# KiCad board Bus_Card.kicad_pcb (continued)
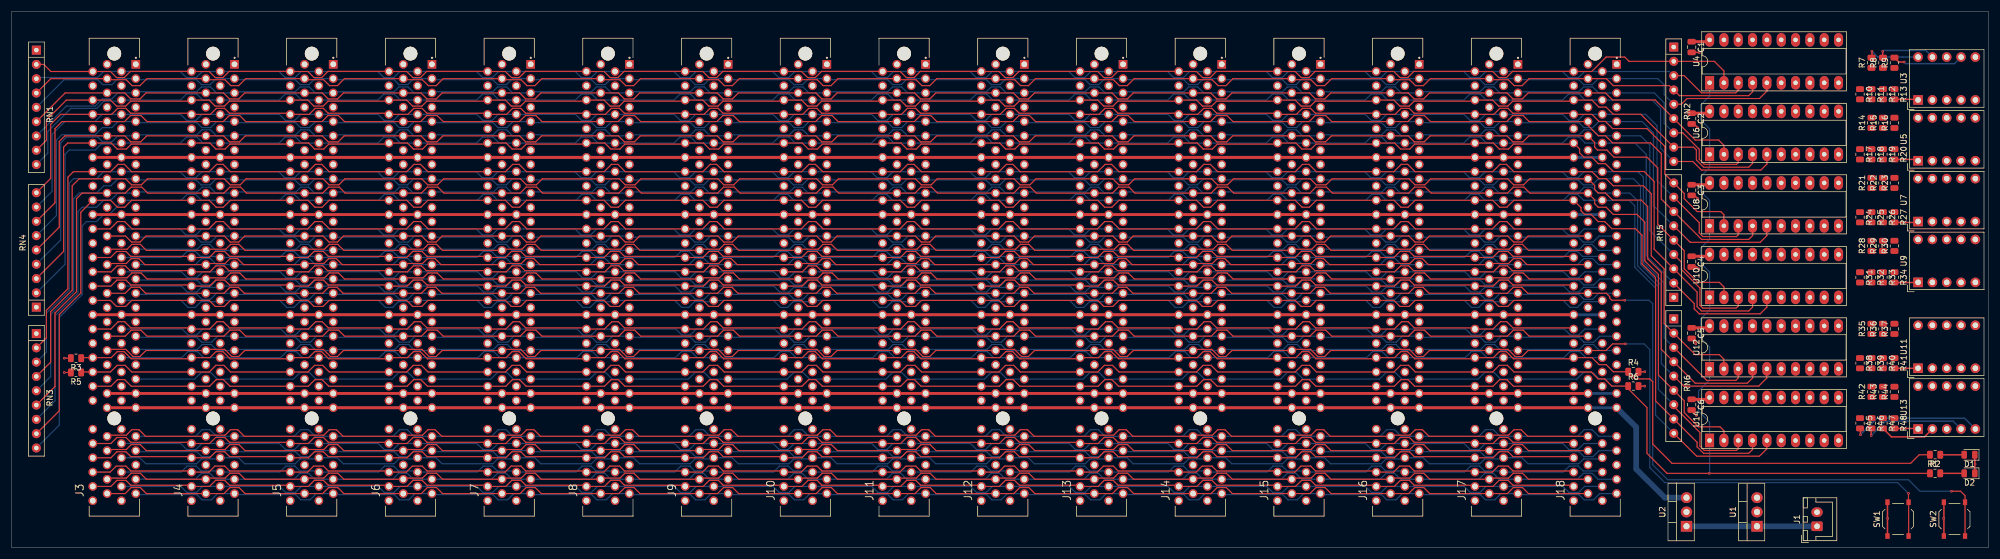
[diagram p0: board, top side]
## Routing (per net, layer and track width the routed paths; a pad name or vN(x,y) marks a point on that pad's centre or on a via; arc(x,y) is an arc through that point) (continued)
/ROM_3: length 275.7
  Top w0.2: J3.B56 17.65,15.97 18.72,17.03 20.33,17.03 21.19,16.17 31.74,16.17 J4.B56 35.15,15.97 36.22,17.03 37.83,17.03 38.69,16.17 49.24,16.17 J5.B56 52.65,15.97 53.72,17.03 55.33,17.03 56.19,16.17 66.74,16.17 J6.B56 70.15,15.97 71.22,17.03 72.83,17.03 73.69,16.17 84.24,16.17 J7.B56 87.65,15.97 88.72,17.03 90.33,17.03 91.19,16.17 101.74,16.17 J8.B56 105.15,15.97 106.22,17.03 107.83,17.03 108.69,16.17 119.24,16.17 J9.B56 122.65,15.97 123.72,17.03 125.33,17.03 126.19,16.17 136.74,16.17 J10.B56 140.15,15.97 141.22,17.03 142.83,17.03 143.69,16.17 154.24,16.17 J11.B56 157.65,15.97 158.72,17.03 160.33,17.03 161.19,16.17 171.74,16.17 J12.B56 175.15,15.97 176.22,17.03 177.83,17.03 178.69,16.17 189.24,16.17 J13.B56 192.65,15.97 193.72,17.03 195.33,17.03 196.19,16.17 206.74,16.17 J14.B56 210.15,15.97 211.22,17.03 212.83,17.03 213.69,16.17 224.24,16.17 J15.B56 227.65,15.97 228.72,17.03 230.33,17.03 231.19,16.17 241.74,16.17 J16.B56 245.15,15.97 246.22,17.03 247.83,17.03 248.69,16.17 259.24,16.17 J17.B56 262.65,15.97 263.72,17.03 265.33,17.03 266.19,16.17 276.74,16.17 J18.B56
/ROM_4: length 275.7
  Top w0.2: J18.B58 276.74,13.63 266.19,13.63 265.33,14.49 263.59,14.49 262.52,13.43 J17.B58 259.24,13.63 248.69,13.63 247.83,14.49 246.09,14.49 245.02,13.43 J16.B58 241.74,13.63 231.19,13.63 230.33,14.49 228.59,14.49 227.52,13.43 J15.B58 224.24,13.63 213.69,13.63 212.83,14.49 211.09,14.49 210.02,13.43 J14.B58 206.74,13.63 196.19,13.63 195.33,14.49 193.59,14.49 192.52,13.43 J13.B58 189.24,13.63 178.69,13.63 177.83,14.49 176.09,14.49 175.02,13.43 J12.B58 171.74,13.63 161.19,13.63 160.33,14.49 158.59,14.49 157.52,13.43 J11.B58 154.24,13.63 143.69,13.63 142.83,14.49 141.09,14.49 140.02,13.43 J10.B58 136.74,13.63 126.19,13.63 125.33,14.49 123.59,14.49 122.52,13.43 J9.B58 119.24,13.63 108.69,13.63 107.83,14.49 106.09,14.49 105.02,13.43 J8.B58 101.74,13.63 91.19,13.63 90.33,14.49 88.59,14.49 87.52,13.43 J7.B58 84.24,13.63 73.69,13.63 72.83,14.49 71.09,14.49 70.02,13.43 J6.B58 66.74,13.63 56.19,13.63 55.33,14.49 53.59,14.49 52.52,13.43 J5.B58 49.24,13.63 38.69,13.63 37.83,14.49 36.09,14.49 35.02,13.43 J4.B58 31.74,13.63 21.19,13.63 20.33,14.49 18.59,14.49 17.52,13.43 J3.B58
/ROM_5: length 275.7
  Top w0.2: J3.B59 17.19,12.36 20.4,12.36 21.26,13.22 22.87,13.22 23.94,12.16 J4.B59 34.69,12.36 37.9,12.36 38.76,13.22 40.37,13.22 41.44,12.16 J5.B59 52.19,12.36 55.4,12.36 56.26,13.22 57.87,13.22 58.94,12.16 J6.B59 69.69,12.36 72.9,12.36 73.76,13.22 75.37,13.22 76.44,12.16 J7.B59 87.19,12.36 90.4,12.36 91.26,13.22 92.87,13.22 93.94,12.16 J8.B59 104.69,12.36 107.9,12.36 108.76,13.22 110.37,13.22 111.44,12.16 J9.B59 122.19,12.36 125.4,12.36 126.26,13.22 127.87,13.22 128.94,12.16 J10.B59 139.69,12.36 142.9,12.36 143.76,13.22 145.37,13.22 146.44,12.16 J11.B59 157.19,12.36 160.4,12.36 161.26,13.22 162.87,13.22 163.94,12.16 J12.B59 174.69,12.36 177.9,12.36 178.76,13.22 180.37,13.22 181.44,12.16 J13.B59 192.19,12.36 195.4,12.36 196.26,13.22 197.87,13.22 198.94,12.16 J14.B59 209.69,12.36 212.9,12.36 213.76,13.22 215.37,13.22 216.44,12.16 J15.B59 227.19,12.36 230.4,12.36 231.26,13.22 232.87,13.22 233.94,12.16 J16.B59 244.69,12.36 247.9,12.36 248.76,13.22 250.37,13.22 251.44,12.16 J17.B59 262.19,12.36 265.4,12.36 266.26,13.22 267.87,13.22 268.94,12.16 J18.B59
/ROM_6: length 275.9
  Top w0.2: J3.B60 17.65,10.89 18.73,11.96 20.32,11.96 21.19,11.09 31.74,11.09 J4.B60 35.15,10.89 36.23,11.96 37.82,11.96 38.69,11.09 49.24,11.09 J5.B60 52.65,10.89 53.73,11.96 55.32,11.96 56.19,11.09 66.74,11.09 J6.B60 70.15,10.89 71.23,11.96 72.82,11.96 73.69,11.09 84.24,11.09 J7.B60 87.65,10.89 88.73,11.96 90.32,11.96 91.19,11.09 101.74,11.09 J8.B60 105.15,10.89 106.23,11.96 107.82,11.96 108.69,11.09 119.24,11.09 J9.B60 122.65,10.89 123.73,11.96 125.32,11.96 126.19,11.09 136.74,11.09 J10.B60 140.15,10.89 141.23,11.96 142.82,11.96 143.69,11.09 154.24,11.09 J11.B60 157.65,10.89 158.73,11.96 160.32,11.96 161.19,11.09 171.74,11.09 J12.B60 175.15,10.89 176.23,11.96 177.82,11.96 178.69,11.09 189.24,11.09 J13.B60 192.65,10.89 193.73,11.96 195.32,11.96 196.19,11.09 206.74,11.09 J14.B60 210.15,10.89 211.23,11.96 212.82,11.96 213.69,11.09 224.24,11.09 J15.B60 227.65,10.89 228.73,11.96 230.32,11.96 231.19,11.09 241.74,11.09 J16.B60 245.15,10.89 246.23,11.96 247.82,11.96 248.69,11.09 259.24,11.09 J17.B60 262.65,10.89 263.73,11.96 265.32,11.96 266.19,11.09 276.74,11.09 J18.B60
/ROM_7: length 275.7
  Top w0.2: J18.B61 268.94,9.62 267.87,10.68 266.26,10.68 265.19,9.62 J17.B61 251.44,9.62 250.37,10.68 248.76,10.68 247.69,9.62 J16.B61 233.94,9.62 232.87,10.68 231.26,10.68 230.19,9.62 J15.B61 216.44,9.62 215.37,10.68 213.76,10.68 212.69,9.62 J14.B61 198.94,9.62 197.87,10.68 196.26,10.68 195.19,9.62 J13.B61 181.44,9.62 180.37,10.68 178.76,10.68 177.69,9.62 J12.B61 163.94,9.62 162.87,10.68 161.26,10.68 160.19,9.62 J11.B61 146.44,9.62 145.37,10.68 143.76,10.68 142.69,9.62 J10.B61 128.94,9.62 127.87,10.68 126.26,10.68 125.19,9.62 J9.B61 111.44,9.62 110.37,10.68 108.76,10.68 107.69,9.62 J8.B61 93.94,9.62 92.87,10.68 91.26,10.68 90.19,9.62 J7.B61 76.44,9.62 75.37,10.68 73.76,10.68 72.69,9.62 J6.B61 58.94,9.62 57.87,10.68 56.26,10.68 55.19,9.62 J5.B61 41.44,9.62 40.37,10.68 38.76,10.68 37.69,9.62 J4.B61 23.94,9.62 22.87,10.68 21.26,10.68 20.19,9.62 J3.B61
/SYNC/VPA: length 275.7
  Bottom w0.2: J3.A38 30.29,38.83 31.35,37.76 32.84,37.76 33.91,38.83 J4.A38 47.79,38.83 48.85,37.76 50.34,37.76 51.41,38.83 J5.A38 65.29,38.83 66.35,37.76 67.84,37.76 68.91,38.83 J6.A38 82.79,38.83 83.85,37.76 85.34,37.76 86.41,38.83 J7.A38 100.29,38.83 101.35,37.76 102.84,37.76 103.91,38.83 J8.A38 117.79,38.83 118.85,37.76 120.34,37.76 121.41,38.83 J9.A38 135.29,38.83 136.35,37.76 137.84,37.76 138.91,38.83 J10.A38 152.79,38.83 153.85,37.76 155.34,37.76 156.41,38.83 J11.A38 170.29,38.83 171.35,37.76 172.84,37.76 173.91,38.83 J12.A38 187.79,38.83 188.85,37.76 190.34,37.76 191.41,38.83 J13.A38 205.29,38.83 206.35,37.76 207.84,37.76 208.91,38.83 J14.A38 222.79,38.83 223.85,37.76 225.34,37.76 226.41,38.83 J15.A38 240.29,38.83 241.35,37.76 242.84,37.76 243.91,38.83 J16.A38 257.79,38.83 258.85,37.76 260.34,37.76 261.41,38.83 J17.A38 275.29,38.83 276.35,37.76 277.84,37.76 278.91,38.83 J18.A38
/~{BE}: length 275.7
  Bottom w0.2: J18.A42 279.1,33.75 278.03,34.81 276.29,34.81 275.22,33.75 J17.A42 261.6,33.75 260.53,34.81 258.79,34.81 257.72,33.75 J16.A42 244.1,33.75 243.03,34.81 241.29,34.81 240.22,33.75 J15.A42 226.6,33.75 225.53,34.81 223.79,34.81 222.72,33.75 J14.A42 209.1,33.75 208.03,34.81 206.29,34.81 205.22,33.75 J13.A42 191.6,33.75 190.53,34.81 188.79,34.81 187.72,33.75 J12.A42 174.1,33.75 173.03,34.81 171.29,34.81 170.22,33.75 J11.A42 156.6,33.75 155.53,34.81 153.79,34.81 152.72,33.75 J10.A42 139.1,33.75 138.03,34.81 136.29,34.81 135.22,33.75 J9.A42 121.6,33.75 120.53,34.81 118.79,34.81 117.72,33.75 J8.A42 104.1,33.75 103.03,34.81 101.29,34.81 100.22,33.75 J7.A42 86.6,33.75 85.53,34.81 83.79,34.81 82.72,33.75 J6.A42 69.1,33.75 68.03,34.81 66.29,34.81 65.22,33.75 J5.A42 51.6,33.75 50.53,34.81 48.79,34.81 47.72,33.75 J4.A42 34.1,33.75 33.03,34.81 31.29,34.81 30.22,33.75 J3.A42
/~{H_RAM}: length 275.7
  Top w0.2: J18.B25 268.87,55.34 267.81,54.27 266.32,54.27 265.25,55.34 J17.B25 251.37,55.34 250.31,54.27 248.82,54.27 247.75,55.34 J16.B25 233.87,55.34 232.81,54.27 231.32,54.27 230.25,55.34 J15.B25 216.37,55.34 215.31,54.27 213.82,54.27 212.75,55.34 J14.B25 198.87,55.34 197.81,54.27 196.32,54.27 195.25,55.34 J13.B25 181.37,55.34 180.31,54.27 178.82,54.27 177.75,55.34 J12.B25 163.87,55.34 162.81,54.27 161.32,54.27 160.25,55.34 J11.B25 146.37,55.34 145.31,54.27 143.82,54.27 142.75,55.34 J10.B25 128.87,55.34 127.81,54.27 126.32,54.27 125.25,55.34 J9.B25 111.37,55.34 110.31,54.27 108.82,54.27 107.75,55.34 J8.B25 93.87,55.34 92.81,54.27 91.32,54.27 90.25,55.34 J7.B25 76.37,55.34 75.31,54.27 73.82,54.27 72.76,55.34 J6.B25 58.87,55.34 57.81,54.27 56.32,54.27 55.26,55.34 J5.B25 41.37,55.34 40.31,54.27 38.82,54.27 37.76,55.34 J4.B25 23.87,55.34 22.81,54.27 21.32,54.27 20.26,55.34 J3.B25
/~{IO}: length 275.7
  Bottom w0.2: J3.A24 29.91,56.61 30.97,55.54 32.72,55.54 33.78,56.61 J4.A24 47.41,56.61 48.47,55.54 50.22,55.54 51.28,56.61 J5.A24 64.91,56.61 65.97,55.54 67.72,55.54 68.78,56.61 J6.A24 82.41,56.61 83.47,55.54 85.22,55.54 86.28,56.61 J7.A24 99.91,56.61 100.97,55.54 102.72,55.54 103.78,56.61 J8.A24 117.41,56.61 118.47,55.54 120.22,55.54 121.28,56.61 J9.A24 134.91,56.61 135.97,55.54 137.72,55.54 138.78,56.61 J10.A24 152.41,56.61 153.47,55.54 155.22,55.54 156.28,56.61 J11.A24 169.91,56.61 170.97,55.54 172.72,55.54 173.78,56.61 J12.A24 187.41,56.61 188.47,55.54 190.22,55.54 191.28,56.61 J13.A24 204.91,56.61 205.97,55.54 207.72,55.54 208.78,56.61 J14.A24 222.41,56.61 223.47,55.54 225.21,55.54 226.28,56.61 J15.A24 239.91,56.61 240.97,55.54 242.71,55.54 243.78,56.61 J16.A24 257.41,56.61 258.47,55.54 260.21,55.54 261.28,56.61 J17.A24 274.91,56.61 275.97,55.54 277.71,55.54 278.78,56.61 J18.A24
/~{IRQ_0.0}: length 275.7
  Bottom w0.2: J3.A27 22.27,53 32.97,53 33.83,53.86 35.19,53.86 36.26,52.8 J4.A27 39.77,53 50.47,53 51.33,53.86 52.69,53.86 53.76,52.8 J5.A27 57.27,53 67.97,53 68.83,53.86 70.19,53.86 71.26,52.8 J6.A27 74.77,53 85.47,53 86.33,53.86 87.69,53.86 88.76,52.8 J7.A27 92.27,53 102.97,53 103.83,53.86 105.19,53.86 106.26,52.8 J8.A27 109.77,53 120.47,53 121.33,53.86 122.69,53.86 123.76,52.8 J9.A27 127.27,53 137.97,53 138.83,53.86 140.19,53.86 141.26,52.8 J10.A27 144.77,53 155.47,53 156.33,53.86 157.69,53.86 158.76,52.8 J11.A27 162.27,53 172.97,53 173.83,53.86 175.19,53.86 176.26,52.8 J12.A27 179.77,53 190.47,53 191.33,53.86 192.69,53.86 193.76,52.8 J13.A27 197.27,53 207.97,53 208.83,53.86 210.19,53.86 211.26,52.8 J14.A27 214.77,53 225.47,53 226.33,53.86 227.69,53.86 228.76,52.8 J15.A27 232.27,53 242.97,53 243.83,53.86 245.19,53.86 246.26,52.8 J16.A27 249.77,53 260.47,53 261.33,53.86 262.69,53.86 263.76,52.8 J17.A27 267.27,53 277.97,53 278.83,53.86 280.19,53.86 281.26,52.8 J18.A27
/~{IRQ_0.1}: length 275.7
  Bottom w0.2: J3.A28 30.1,51.53 31.16,52.59 32.65,52.59 33.51,51.73 36.82,51.73 J4.A28 47.6,51.53 48.66,52.59 50.15,52.59 51.01,51.73 54.32,51.73 J5.A28 65.1,51.53 66.16,52.59 67.65,52.59 68.51,51.73 71.82,51.73 J6.A28 82.6,51.53 83.66,52.59 85.15,52.59 86.01,51.73 89.32,51.73 J7.A28 100.1,51.53 101.16,52.59 102.65,52.59 103.51,51.73 106.82,51.73 J8.A28 117.6,51.53 118.66,52.59 120.15,52.59 121.01,51.73 124.32,51.73 J9.A28 135.1,51.53 136.16,52.59 137.65,52.59 138.51,51.73 141.82,51.73 J10.A28 152.6,51.53 153.66,52.59 155.15,52.59 156.01,51.73 159.32,51.73 J11.A28 170.1,51.53 171.16,52.59 172.65,52.59 173.51,51.73 176.82,51.73 J12.A28 187.6,51.53 188.66,52.59 190.15,52.59 191.01,51.73 194.32,51.73 J13.A28 205.1,51.53 206.16,52.59 207.65,52.59 208.51,51.73 211.82,51.73 J14.A28 222.6,51.53 223.66,52.59 225.15,52.59 226.01,51.73 229.32,51.73 J15.A28 240.1,51.53 241.16,52.59 242.65,52.59 243.51,51.73 246.82,51.73 J16.A28 257.6,51.53 258.66,52.59 260.15,52.59 261.01,51.73 264.32,51.73 J17.A28 275.1,51.53 276.16,52.59 277.65,52.59 278.51,51.73 281.82,51.73 J18.A28
/~{IRQ_0.2}: length 275.7
  Bottom w0.2: J3.A29 32.64,50.26 33.7,51.32 35.32,51.32 36.38,50.26 J4.A29 50.14,50.26 51.2,51.32 52.82,51.32 53.88,50.26 J5.A29 67.64,50.26 68.7,51.32 70.32,51.32 71.38,50.26 J6.A29 85.14,50.26 86.2,51.32 87.82,51.32 88.88,50.26 J7.A29 102.64,50.26 103.7,51.32 105.32,51.32 106.38,50.26 J8.A29 120.14,50.26 121.2,51.32 122.82,51.32 123.88,50.26 J9.A29 137.64,50.26 138.7,51.32 140.32,51.32 141.38,50.26 J10.A29 155.14,50.26 156.2,51.32 157.82,51.32 158.88,50.26 J11.A29 172.64,50.26 173.7,51.32 175.32,51.32 176.38,50.26 J12.A29 190.14,50.26 191.2,51.32 192.82,51.32 193.88,50.26 J13.A29 207.64,50.26 208.7,51.32 210.32,51.32 211.38,50.26 J14.A29 225.14,50.26 226.2,51.32 227.82,51.32 228.88,50.26 J15.A29 242.64,50.26 243.7,51.32 245.32,51.32 246.38,50.26 J16.A29 260.14,50.26 261.2,51.32 262.82,51.32 263.88,50.26 J17.A29 277.64,50.26 278.7,51.32 280.32,51.32 281.38,50.26 J18.A29
/~{IRQ_0.3}: length 275.7
  Bottom w0.2: J18.A30 278.91,48.99 277.84,47.92 276.23,47.92 275.16,48.99 J17.A30 261.41,48.99 260.34,47.92 258.73,47.92 257.66,48.99 J16.A30 243.91,48.99 242.84,47.92 241.23,47.92 240.16,48.99 J15.A30 226.41,48.99 225.34,47.92 223.73,47.92 222.66,48.99 J14.A30 208.91,48.99 207.84,47.92 206.23,47.92 205.16,48.99 J13.A30 191.41,48.99 190.34,47.92 188.73,47.92 187.66,48.99 J12.A30 173.91,48.99 172.84,47.92 171.23,47.92 170.16,48.99 J11.A30 156.41,48.99 155.34,47.92 153.73,47.92 152.66,48.99 J10.A30 138.91,48.99 137.84,47.92 136.23,47.92 135.16,48.99 J9.A30 121.41,48.99 120.34,47.92 118.73,47.92 117.66,48.99 J8.A30 103.91,48.99 102.84,47.92 101.23,47.92 100.16,48.99 J7.A30 86.41,48.99 85.34,47.92 83.73,47.92 82.66,48.99 J6.A30 68.91,48.99 67.84,47.92 66.23,47.92 65.16,48.99 J5.A30 51.41,48.99 50.34,47.92 48.73,47.92 47.66,48.99 J4.A30 33.91,48.99 32.84,47.92 31.23,47.92 30.16,48.99 J3.A30
/~{IRQ_0.4}: length 275.7
  Bottom w0.2: J18.A31 281.57,47.72 280.51,46.65 278.77,46.65 277.91,47.51 267.27,47.51 J17.A31 264.07,47.72 263.01,46.65 261.27,46.65 260.41,47.51 249.77,47.51 J16.A31 246.57,47.72 245.51,46.65 243.77,46.65 242.91,47.51 232.27,47.51 J15.A31 229.07,47.72 228.01,46.65 226.27,46.65 225.41,47.51 214.77,47.51 J14.A31 211.57,47.72 210.51,46.65 208.77,46.65 207.91,47.51 197.27,47.51 J13.A31 194.07,47.72 193.01,46.65 191.27,46.65 190.41,47.51 179.77,47.51 J12.A31 176.57,47.72 175.51,46.65 173.77,46.65 172.91,47.51 162.27,47.51 J11.A31 159.07,47.72 158.01,46.65 156.27,46.65 155.41,47.51 144.77,47.51 J10.A31 141.57,47.72 140.51,46.65 138.77,46.65 137.91,47.51 127.27,47.51 J9.A31 124.07,47.72 123.01,46.65 121.27,46.65 120.41,47.51 109.77,47.51 J8.A31 106.57,47.72 105.51,46.65 103.77,46.65 102.91,47.51 92.27,47.51 J7.A31 89.07,47.72 88.01,46.65 86.27,46.65 85.41,47.51 74.77,47.51 J6.A31 71.57,47.72 70.51,46.65 68.77,46.65 67.91,47.51 57.27,47.51 J5.A31 54.07,47.72 53.01,46.65 51.27,46.65 50.41,47.51 39.77,47.51 J4.A31 36.57,47.72 35.51,46.65 33.77,46.65 32.91,47.51 22.27,47.51 J3.A31
/~{IRQ_0.5}: length 275.7
  Bottom w0.2: J3.A32 30.16,46.45 31.23,45.38 32.84,45.38 33.7,46.24 36.82,46.24 J4.A32 47.66,46.45 48.73,45.38 50.34,45.38 51.2,46.24 54.32,46.24 J5.A32 65.16,46.45 66.23,45.38 67.84,45.38 68.7,46.24 71.82,46.24 J6.A32 82.66,46.45 83.73,45.38 85.34,45.38 86.2,46.24 89.32,46.24 J7.A32 100.16,46.45 101.23,45.38 102.84,45.38 103.7,46.24 106.82,46.24 J8.A32 117.66,46.45 118.73,45.38 120.34,45.38 121.2,46.24 124.32,46.24 J9.A32 135.16,46.45 136.23,45.38 137.84,45.38 138.7,46.24 141.82,46.24 J10.A32 152.66,46.45 153.73,45.38 155.34,45.38 156.2,46.24 159.32,46.24 J11.A32 170.16,46.45 171.23,45.38 172.84,45.38 173.7,46.24 176.82,46.24 J12.A32 187.66,46.45 188.73,45.38 190.34,45.38 191.2,46.24 194.32,46.24 J13.A32 205.16,46.45 206.23,45.38 207.84,45.38 208.7,46.24 211.82,46.24 J14.A32 222.66,46.45 223.73,45.38 225.34,45.38 226.2,46.24 229.32,46.24 J15.A32 240.16,46.45 241.23,45.38 242.84,45.38 243.7,46.24 246.82,46.24 J16.A32 257.66,46.45 258.73,45.38 260.34,45.38 261.2,46.24 264.32,46.24 J17.A32 275.16,46.45 276.23,45.38 277.84,45.38 278.7,46.24 281.82,46.24 J18.A32
/~{IRQ_0.6}: length 275.7
  Bottom w0.2: J18.A33 281.38,45.18 280.32,44.11 278.77,44.11 277.91,44.97 267.27,44.97 J17.A33 263.88,45.18 262.82,44.11 261.27,44.11 260.41,44.97 249.77,44.97 J16.A33 246.38,45.18 245.32,44.11 243.77,44.11 242.91,44.97 232.27,44.97 J15.A33 228.88,45.18 227.82,44.11 226.27,44.11 225.41,44.97 214.77,44.97 J14.A33 211.38,45.18 210.32,44.11 208.77,44.11 207.91,44.97 197.27,44.97 J13.A33 193.88,45.18 192.82,44.11 191.27,44.11 190.41,44.97 179.77,44.97 J12.A33 176.38,45.18 175.32,44.11 173.77,44.11 172.91,44.97 162.27,44.97 J11.A33 158.88,45.18 157.82,44.11 156.27,44.11 155.41,44.97 144.77,44.97 J10.A33 141.38,45.18 140.32,44.11 138.77,44.11 137.91,44.97 127.27,44.97 J9.A33 123.88,45.18 122.82,44.11 121.27,44.11 120.41,44.97 109.77,44.97 J8.A33 106.38,45.18 105.32,44.11 103.77,44.11 102.91,44.97 92.27,44.97 J7.A33 88.88,45.18 87.82,44.11 86.27,44.11 85.41,44.97 74.77,44.97 J6.A33 71.38,45.18 70.32,44.11 68.77,44.11 67.91,44.97 57.27,44.97 J5.A33 53.88,45.18 52.82,44.11 51.27,44.11 50.41,44.97 39.77,44.97 J4.A33 36.38,45.18 35.32,44.11 33.77,44.11 32.91,44.97 22.27,44.97 J3.A33
/~{IRQ_0.7}: length 278.1
  Bottom w0.2: J18.A34 281.81,43.69 279.95,43.69 279.93,43.7 278.64,43.7 277.61,42.67 276.33,42.67 275.1,43.91 J17.A34 264.31,43.69 262.45,43.69 262.43,43.7 261.14,43.7 260.11,42.67 258.83,42.67 257.6,43.91 J16.A34 246.81,43.69 244.95,43.69 244.93,43.7 243.64,43.7 242.61,42.67 241.33,42.67 240.1,43.91 J15.A34 229.31,43.69 227.45,43.69 227.43,43.7 226.14,43.7 225.11,42.67 223.83,42.67 222.6,43.91 J14.A34 211.81,43.69 209.95,43.69 209.93,43.7 208.64,43.7 207.61,42.67 206.34,42.67 205.1,43.91 J13.A34 194.31,43.69 192.45,43.69 192.43,43.7 191.14,43.7 190.11,42.67 188.84,42.67 187.6,43.91 J12.A34 176.81,43.69 174.95,43.69 174.93,43.7 173.64,43.7 172.61,42.67 171.34,42.67 170.1,43.91 J11.A34 159.31,43.69 157.45,43.69 157.43,43.7 156.14,43.7 155.11,42.67 153.84,42.67 152.6,43.91 J10.A34 141.81,43.69 139.95,43.69 139.93,43.7 138.64,43.7 137.61,42.67 136.34,42.67 135.1,43.91 J9.A34 124.31,43.69 122.45,43.69 122.43,43.7 121.14,43.7 120.11,42.67 118.84,42.67 117.6,43.91 J8.A34 106.81,43.69 104.95,43.69 104.93,43.7 103.64,43.7 102.61,42.67 101.34,42.67 100.1,43.91 J7.A34 89.31,43.69 87.45,43.69 87.43,43.7 86.14,43.7 85.11,42.67 83.84,42.67 82.6,43.91 J6.A34 71.81,43.69 69.95,43.69 69.93,43.7 68.64,43.7 67.61,42.67 66.34,42.67 65.1,43.91 J5.A34 54.31,43.69 52.45,43.69 52.43,43.7 51.14,43.7 50.11,42.67 48.84,42.67 47.6,43.91 J4.A34 36.81,43.69 34.95,43.69 34.93,43.7 33.64,43.7 32.61,42.67 31.34,42.67 30.1,43.91 J3.A34
/~{IRQ_0}: length 275.7
  Top w0.2: J18.B28 276.74,51.73 266.19,51.73 265.33,52.59 263.65,52.59 262.59,51.53 J17.B28 259.24,51.73 248.69,51.73 247.83,52.59 246.15,52.59 245.09,51.53 J16.B28 241.74,51.73 231.19,51.73 230.33,52.59 228.65,52.59 227.59,51.53 J15.B28 224.24,51.73 213.69,51.73 212.83,52.59 211.15,52.59 210.09,51.53 J14.B28 206.74,51.73 196.19,51.73 195.33,52.59 193.65,52.59 192.59,51.53 J13.B28 189.24,51.73 178.69,51.73 177.83,52.59 176.15,52.59 175.09,51.53 J12.B28 171.74,51.73 161.19,51.73 160.33,52.59 158.65,52.59 157.59,51.53 J11.B28 154.24,51.73 143.69,51.73 142.83,52.59 141.15,52.59 140.09,51.53 J10.B28 136.74,51.73 126.19,51.73 125.33,52.59 123.65,52.59 122.59,51.53 J9.B28 119.24,51.73 108.69,51.73 107.83,52.59 106.15,52.59 105.09,51.53 J8.B28 101.74,51.73 91.19,51.73 90.33,52.59 88.65,52.59 87.59,51.53 J7.B28 84.24,51.73 73.69,51.73 72.83,52.59 71.15,52.59 70.09,51.53 J6.B28 66.74,51.73 56.19,51.73 55.33,52.59 53.65,52.59 52.59,51.53 J5.B28 49.24,51.73 38.69,51.73 37.83,52.59 36.15,52.59 35.09,51.53 J4.B28 31.74,51.73 21.19,51.73 20.33,52.59 18.65,52.59 17.59,51.53 J3.B28
/~{IRQ_1}: length 275.7
  Top w0.2: J18.B29 268.68,50.26 267.62,51.32 266.26,51.32 265.4,50.46 262.19,50.46 J17.B29 251.18,50.26 250.12,51.32 248.76,51.32 247.9,50.46 244.69,50.46 J16.B29 233.68,50.26 232.62,51.32 231.26,51.32 230.4,50.46 227.19,50.46 J15.B29 216.18,50.26 215.12,51.32 213.76,51.32 212.9,50.46 209.69,50.46 J14.B29 198.68,50.26 197.62,51.32 196.26,51.32 195.4,50.46 192.19,50.46 J13.B29 181.18,50.26 180.12,51.32 178.76,51.32 177.9,50.46 174.69,50.46 J12.B29 163.68,50.26 162.62,51.32 161.26,51.32 160.4,50.46 157.19,50.46 J11.B29 146.18,50.26 145.12,51.32 143.76,51.32 142.9,50.46 139.69,50.46 J10.B29 128.68,50.26 127.62,51.32 126.26,51.32 125.4,50.46 122.19,50.46 J9.B29 111.18,50.26 110.12,51.32 108.76,51.32 107.9,50.46 104.69,50.46 J8.B29 93.68,50.26 92.62,51.32 91.26,51.32 90.4,50.46 87.19,50.46 J7.B29 76.18,50.26 75.12,51.32 73.76,51.32 72.9,50.46 69.69,50.46 J6.B29 58.68,50.26 57.62,51.32 56.26,51.32 55.4,50.46 52.19,50.46 J5.B29 41.18,50.26 40.12,51.32 38.76,51.32 37.9,50.46 34.69,50.46 J4.B29 23.68,50.26 22.62,51.32 21.26,51.32 20.4,50.46 17.19,50.46 J3.B29
/~{IRQ_2}: length 275.7
  Top w0.2: J18.B30 276.74,49.19 266.07,49.19 265.21,50.05 263.78,50.05 262.71,48.99 J17.B30 259.24,49.19 248.57,49.19 247.71,50.05 246.28,50.05 245.21,48.99 J16.B30 241.74,49.19 231.07,49.19 230.21,50.05 228.78,50.05 227.71,48.99 J15.B30 224.24,49.19 213.57,49.19 212.71,50.05 211.28,50.05 210.22,48.99 J14.B30 206.74,49.19 196.07,49.19 195.21,50.05 193.78,50.05 192.72,48.99 J13.B30 189.24,49.19 178.57,49.19 177.71,50.05 176.28,50.05 175.22,48.99 J12.B30 171.74,49.19 161.07,49.19 160.21,50.05 158.78,50.05 157.72,48.99 J11.B30 154.24,49.19 143.57,49.19 142.71,50.05 141.28,50.05 140.22,48.99 J10.B30 136.74,49.19 126.07,49.19 125.21,50.05 123.78,50.05 122.72,48.99 J9.B30 119.24,49.19 108.57,49.19 107.71,50.05 106.28,50.05 105.22,48.99 J8.B30 101.74,49.19 91.07,49.19 90.21,50.05 88.78,50.05 87.72,48.99 J7.B30 84.24,49.19 73.57,49.19 72.71,50.05 71.28,50.05 70.22,48.99 J6.B30 66.74,49.19 56.07,49.19 55.21,50.05 53.78,50.05 52.72,48.99 J5.B30 49.24,49.19 38.57,49.19 37.71,50.05 36.28,50.05 35.22,48.99 J4.B30 31.74,49.19 21.07,49.19 20.21,50.05 18.78,50.05 17.72,48.99 J3.B30
/~{IRQ_3}: length 275.7
  Top w0.2: J3.B31 17.19,47.92 20.52,47.92 21.38,48.78 23,48.78 24.06,47.72 J4.B31 34.69,47.92 38.02,47.92 38.88,48.78 40.5,48.78 41.56,47.72 J5.B31 52.19,47.92 55.52,47.92 56.38,48.78 58,48.78 59.06,47.72 J6.B31 69.69,47.92 73.02,47.92 73.88,48.78 75.5,48.78 76.56,47.72 J7.B31 87.19,47.92 90.52,47.92 91.38,48.78 93,48.78 94.06,47.72 J8.B31 104.69,47.92 108.02,47.92 108.88,48.78 110.5,48.78 111.56,47.72 J9.B31 122.19,47.92 125.52,47.92 126.38,48.78 128,48.78 129.06,47.72 J10.B31 139.69,47.92 143.02,47.92 143.88,48.78 145.5,48.78 146.56,47.72 J11.B31 157.19,47.92 160.52,47.92 161.38,48.78 163,48.78 164.06,47.72 J12.B31 174.69,47.92 178.02,47.92 178.88,48.78 180.5,48.78 181.56,47.72 J13.B31 192.19,47.92 195.52,47.92 196.38,48.78 198,48.78 199.06,47.72 J14.B31 209.69,47.92 213.02,47.92 213.88,48.78 215.5,48.78 216.56,47.72 J15.B31 227.19,47.92 230.52,47.92 231.38,48.78 233,48.78 234.06,47.72 J16.B31 244.69,47.92 248.02,47.92 248.88,48.78 250.5,48.78 251.56,47.72 J17.B31 262.19,47.92 265.52,47.92 266.38,48.78 268,48.78 269.06,47.72 J18.B31
/~{IRQ_4}: length 275.7
  Top w0.2: J3.B32 17.65,46.45 18.72,47.51 20.33,47.51 21.19,46.65 31.74,46.65 J4.B32 35.15,46.45 36.22,47.51 37.83,47.51 38.69,46.65 49.24,46.65 J5.B32 52.65,46.45 53.72,47.51 55.33,47.51 56.19,46.65 66.74,46.65 J6.B32 70.15,46.45 71.22,47.51 72.83,47.51 73.69,46.65 84.24,46.65 J7.B32 87.65,46.45 88.72,47.51 90.33,47.51 91.19,46.65 101.74,46.65 J8.B32 105.15,46.45 106.22,47.51 107.83,47.51 108.69,46.65 119.24,46.65 J9.B32 122.65,46.45 123.72,47.51 125.33,47.51 126.19,46.65 136.74,46.65 J10.B32 140.15,46.45 141.22,47.51 142.83,47.51 143.69,46.65 154.24,46.65 J11.B32 157.65,46.45 158.72,47.51 160.33,47.51 161.19,46.65 171.74,46.65 J12.B32 175.15,46.45 176.22,47.51 177.83,47.51 178.69,46.65 189.24,46.65 J13.B32 192.65,46.45 193.72,47.51 195.33,47.51 196.19,46.65 206.74,46.65 J14.B32 210.15,46.45 211.22,47.51 212.83,47.51 213.69,46.65 224.24,46.65 J15.B32 227.65,46.45 228.72,47.51 230.33,47.51 231.19,46.65 241.74,46.65 J16.B32 245.15,46.45 246.22,47.51 247.83,47.51 248.69,46.65 259.24,46.65 J17.B32 262.65,46.45 263.72,47.51 265.33,47.51 266.19,46.65 276.74,46.65 J18.B32
/~{IRQ}: length 275.7
  Top w0.2: J18.B27 268.94,52.8 267.87,53.86 266.38,53.86 265.52,53 262.19,53 J17.B27 251.44,52.8 250.37,53.86 248.88,53.86 248.02,53 244.69,53 J16.B27 233.94,52.8 232.87,53.86 231.38,53.86 230.52,53 227.19,53 J15.B27 216.44,52.8 215.37,53.86 213.88,53.86 213.02,53 209.69,53 J14.B27 198.94,52.8 197.87,53.86 196.38,53.86 195.52,53 192.19,53 J13.B27 181.44,52.8 180.37,53.86 178.88,53.86 178.02,53 174.69,53 J12.B27 163.94,52.8 162.87,53.86 161.38,53.86 160.52,53 157.19,53 J11.B27 146.44,52.8 145.37,53.86 143.88,53.86 143.02,53 139.69,53 J10.B27 128.94,52.8 127.87,53.86 126.38,53.86 125.52,53 122.19,53 J9.B27 111.44,52.8 110.37,53.86 108.88,53.86 108.02,53 104.69,53 J8.B27 93.94,52.8 92.87,53.86 91.38,53.86 90.52,53 87.19,53 J7.B27 76.44,52.8 75.37,53.86 73.88,53.86 73.02,53 69.69,53 J6.B27 58.94,52.8 57.87,53.86 56.38,53.86 55.52,53 52.19,53 J5.B27 41.44,52.8 40.37,53.86 38.88,53.86 38.02,53 34.69,53 J4.B27 23.94,52.8 22.87,53.86 21.38,53.86 20.52,53 17.19,53 J3.B27
